# KiCad board HPM6P00ADCEVKRevB.kicad_pcb
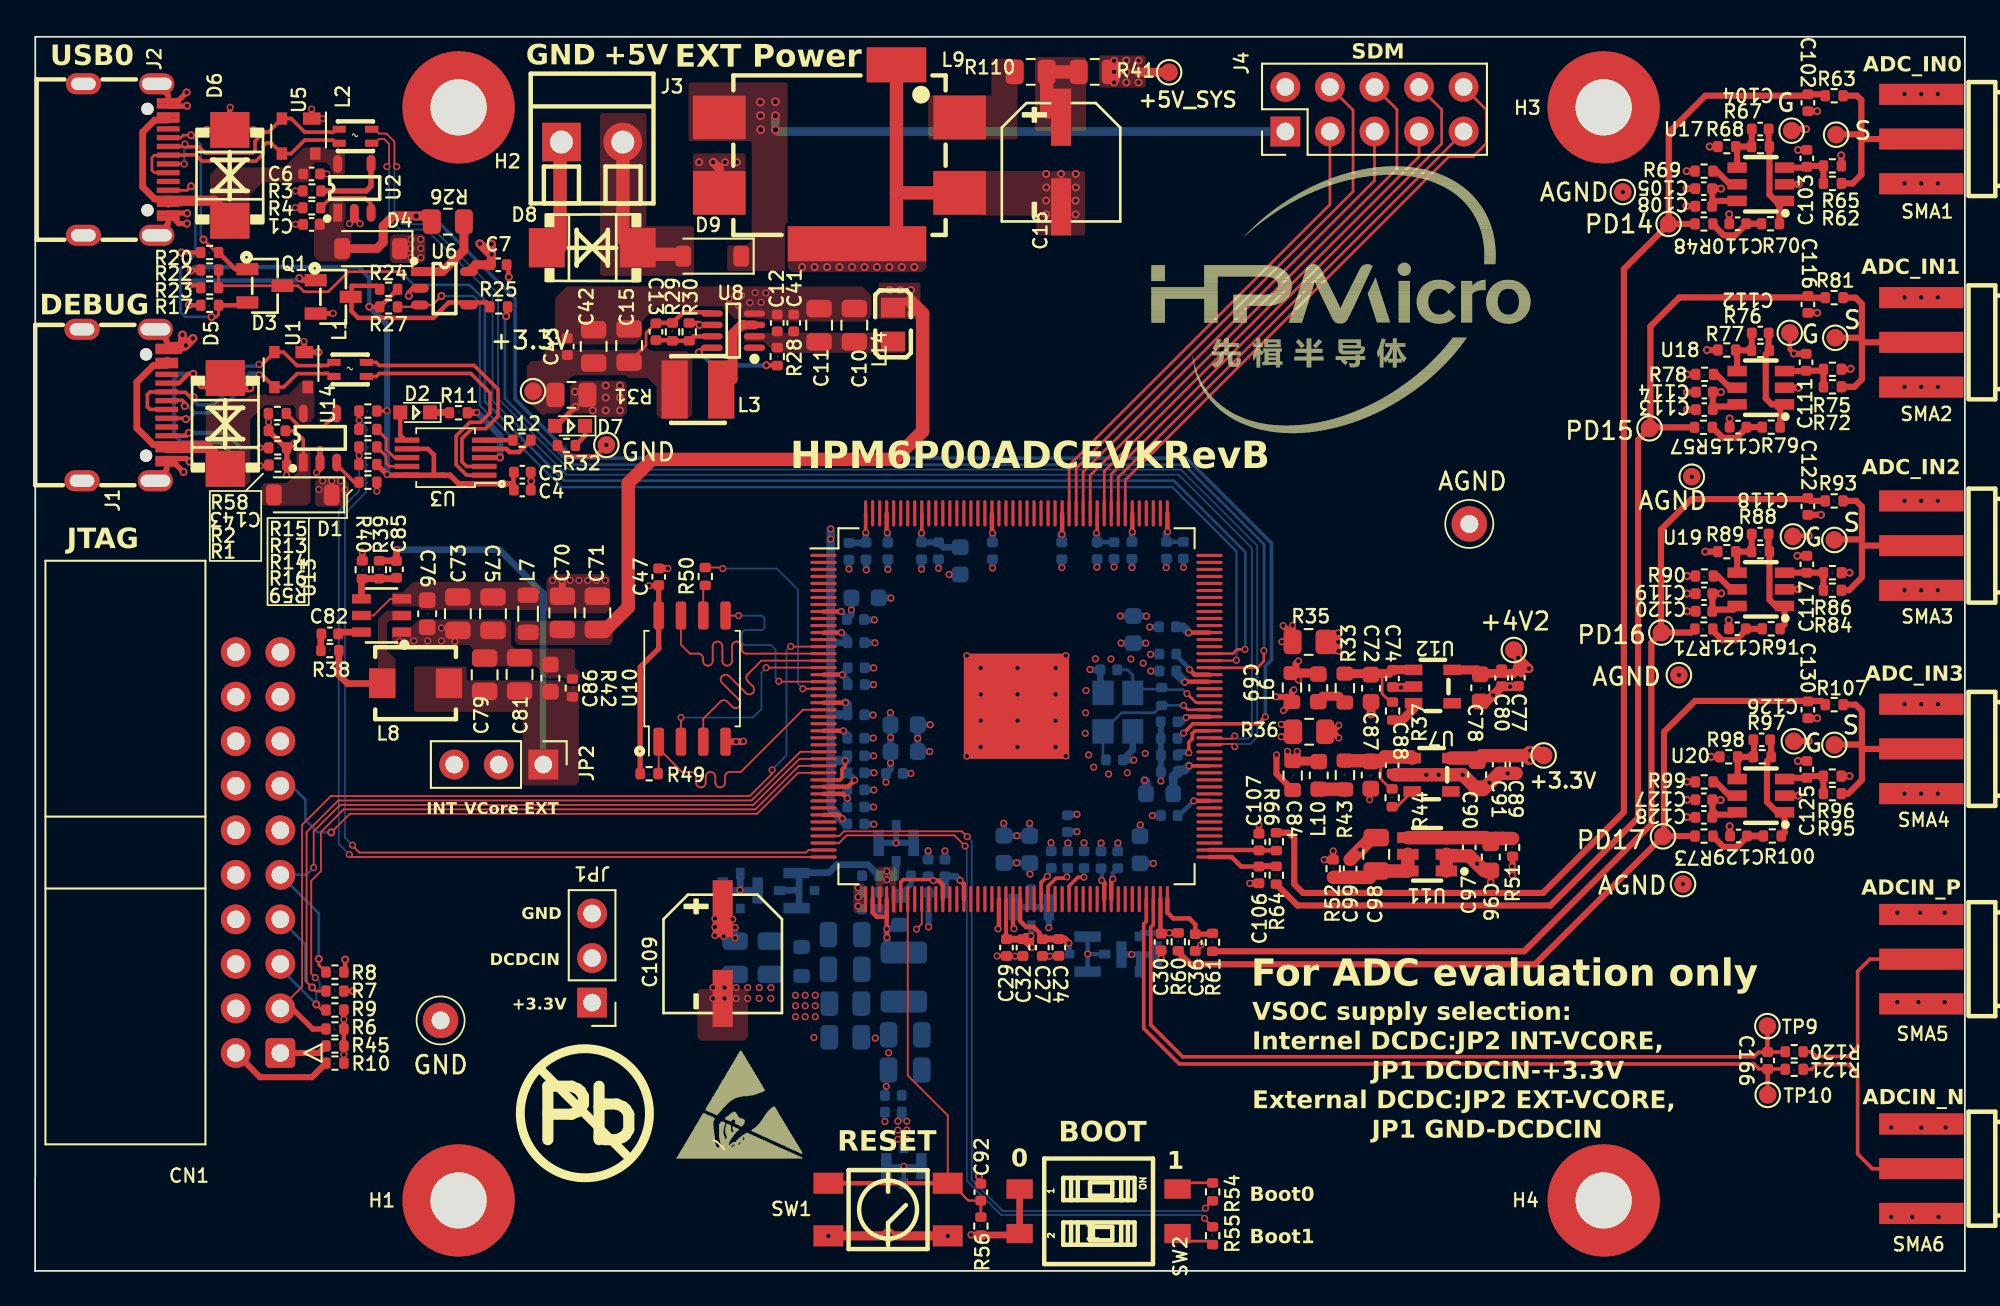
[diagram p0: board, top side]
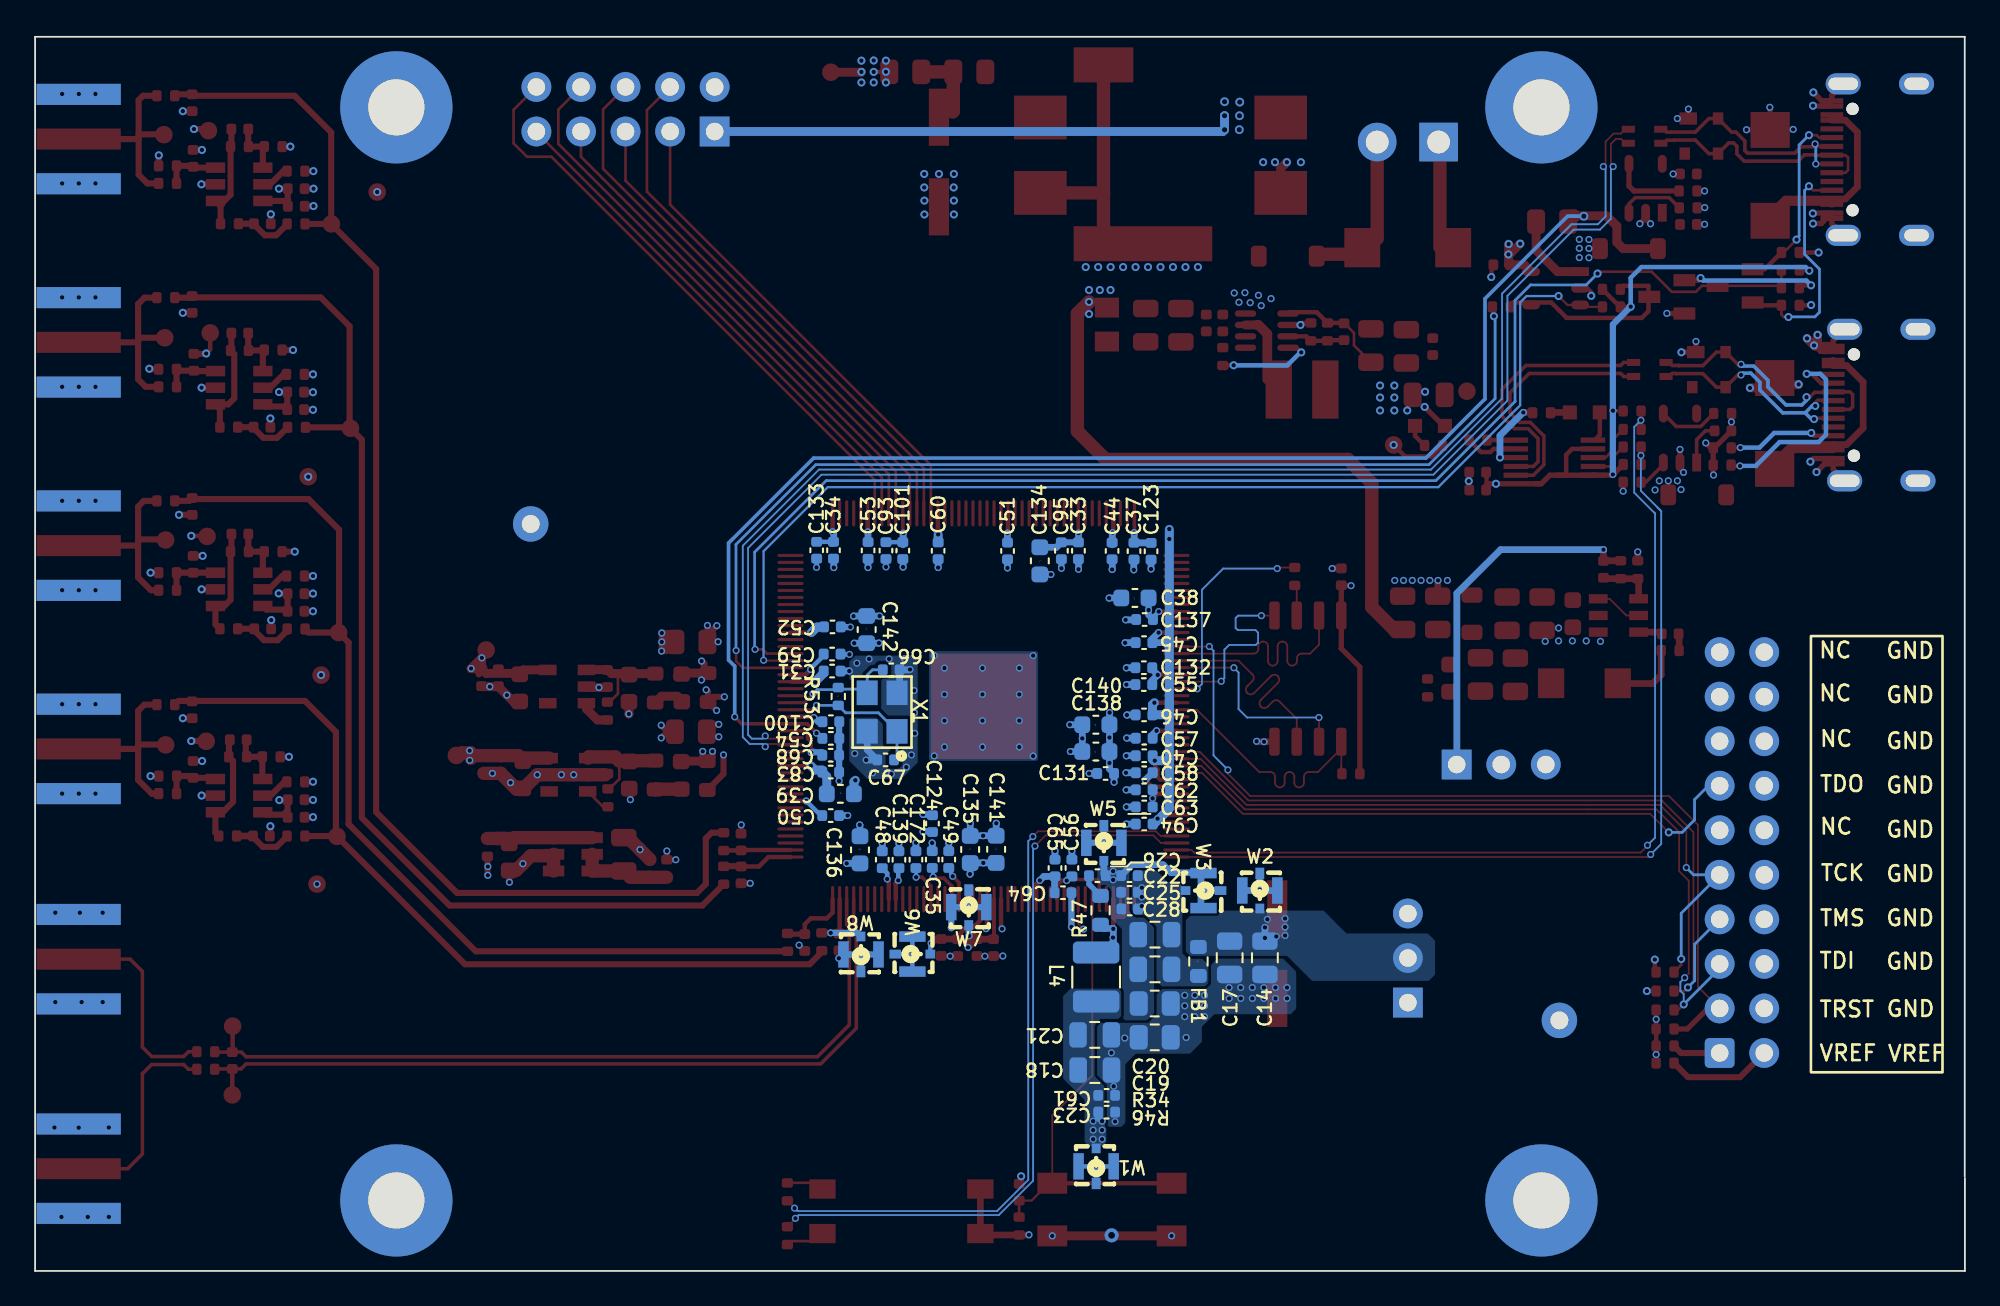
[diagram p1: board, bottom side, seen from below]

Outline 110 x 70.38 mm; copper layers: TOP.Cu, GND02.Cu (plane), S03.Cu, BOTTOM.Cu. Coordinates in mm from the lower left corner of the outline.
Outline path: 0,5.3 0,0 110,0 110,70.38 0.01,70.38 0.01,5.38
Stack: TOP.Cu 0.0175mm / dielectric 0.1mm FR4 er 4.5 / GND02.Cu 0.0175mm / dielectric 1.304mm FR4 er 4.5 / S03.Cu 0.0175mm / dielectric 0.1mm FR4 er 4.5 / BOTTOM.Cu 0.0175mm

## Placement (name value [footprint] x y rotation side)
C1  1uF,16V  [C_0402_1005Metric]  15.76 59.68 180 top
C4  4.7uF,16V  [C_0402_1005Metric]  27.77 44.54 0 top
C5  0.1uF,16V  [C_0402_1005Metric]  27.77 45.55 0 top
C6  0.1uF,50V  [C_0402_1005Metric]  15.76 62.56 0 top
C7  4.7uF,16V  [C_0402_1005Metric]  26.4 57.38 0 top
C10  22uF,10V  [C_0805_2012Metric]  46.7 53.94 90 top
C11  22uF,10V  [C_0805_2012Metric]  44.69 53.93 90 top
C12  0.1uF,16V  [C_0402_1005Metric]  42.3 54.06 90 top
C13  18pF,50V  [C_0402_1005Metric]  35.39 53.56 270 top
C14  22uF,10V  [C_0805_2012Metric]  39.9 17.86 270 bottom
C15  22uF,10V  [C_0805_2012Metric]  33.86 52.77 90 top
C16  220uF,16V  [CAP-SMD_BD6.3-L6.6-W6.6-LS7.2-R-RD]  58.48 63.24 90 top
C17  22uF,10V  [C_0805_2012Metric]  41.91 17.86 270 bottom
C18  22uF,10V  [C_0805_2012Metric]  49.59 11.46 180 bottom
C19  22uF,10V  [C_0805_2012Metric]  46.17 17.2 0 bottom
C20  22uF,10V  [C_0805_2012Metric]  46.17 19.18 0 bottom
C21  22uF,10V  [C_0805_2012Metric]  49.6 13.46 180 bottom
C22  0.1uF,16V  [C_0402_1005Metric]  47.62 22.54 0 bottom
C23  0.1uF,16V  [C_0402_1005Metric]  48.92 9.05 180 bottom
C24  4.7uF,16V  [C_0402_1005Metric]  58.35 18.45 270 top
C25  0.1uF,16V  [C_0402_1005Metric]  47.62 21.59 0 bottom
C26  2.2nF,50V  [C_0402_1005Metric]  49.45 22.54 180 bottom
C27  0.01uF,16V  [C_0402_1005Metric]  57.41 18.44 270 top
C28  0.1uF,16V  [C_0402_1005Metric]  47.61 20.64 0 bottom
C29  0.01uF,16V  [C_0402_1005Metric]  55.37 18.44 270 top
C30  220pF,50V  [C_0402_1005Metric]  64.18 18.76 270 top
C31  0.1uF,16V  [C_0402_1005Metric]  64.57 34.21 180 bottom
C32  4.7uF,16V  [C_0402_1005Metric]  56.31 18.44 270 top
C33  0.1uF,16V  [C_0402_1005Metric]  50.53 41.07 270 bottom
C34  0.1uF,16V  [C_0402_1005Metric]  64.49 41.1 270 bottom
C35  0.1uF,16V  [C_0402_1005Metric]  58.86 23.46 90 bottom
C36  220pF,50V  [C_0402_1005Metric]  66.13 18.73 270 top
C37  0.1uF,16V  [C_0402_1005Metric]  47.36 41.05 270 bottom
C38  22uF,10V  [C_0603_1608Metric]  47.31 38.38 0 bottom
C39  22uF,10V  [C_0603_1608Metric]  64.1 27.21 180 bottom
C40  0.1uF,16V  [C_0402_1005Metric]  46.78 29.38 180 bottom
C41  0.1uF,16V  [C_0402_1005Metric]  43.24 54.06 90 top
C42  22uF,10V  [C_0805_2012Metric]  31.84 52.73 90 top
C43  0.1uF,16V  [C_0402_1005Metric]  30.34 52.71 90 top
C44  0.1uF,16V  [C_0402_1005Metric]  48.61 41.06 270 bottom
C45  0.1uF,16V  [C_0402_1005Metric]  46.79 35.83 180 bottom
C46  0.1uF,16V  [C_0402_1005Metric]  46.79 31.71 180 bottom
C47  0.1uF,16V  [C_0402_1005Metric]  35.55 39.58 90 top
C48  0.1uF,16V  [C_0402_1005Metric]  61.71 23.45 90 bottom
C49  0.1uF,16V  [C_0402_1005Metric]  57.92 23.46 90 bottom
C50  0.1uF,16V  [C_0402_1005Metric]  64.65 25.97 180 bottom
C51  0.1uF,16V  [C_0402_1005Metric]  54.57 41.06 270 bottom
C52  0.1uF,16V  [C_0402_1005Metric]  64.55 36.73 180 bottom
C53  0.1uF,16V  [C_0402_1005Metric]  62.52 41.09 270 bottom
C54  0.1uF,16V  [C_0402_1005Metric]  64.64 30.37 180 bottom
C55  0.1uF,16V  [C_0402_1005Metric]  46.8 33.44 0 bottom
C56  0.1uF,16V  [C_0402_1005Metric]  50.9 22.98 270 bottom
C57  0.1uF,16V  [C_0402_1005Metric]  46.78 30.38 0 bottom
C58  0.1uF,16V  [C_0402_1005Metric]  46.78 28.41 0 bottom
C59  0.1uF,16V  [C_0402_1005Metric]  64.57 35.18 180 bottom
C60  0.1uF,16V  [C_0402_1005Metric]  58.53 41.07 270 bottom
C61  0.1uF,16V  [C_0402_1005Metric]  48.92 10.01 180 bottom
C62  4.7uF,10V  [C_0402_1005Metric]  46.78 27.44 0 bottom
C63  0.1uF,16V  [C_0402_1005Metric]  46.78 26.46 0 bottom
C64  4.7uF,10V  [C_0402_1005Metric]  51.41 21.57 180 bottom
C65  0.1uF,16V  [C_0402_1005Metric]  51.87 22.98 90 bottom
C66  12pF,50V  [C_0402_1005Metric]  61.2 34.28 180 bottom
C67  12pF,50V  [C_0402_1005Metric]  61.52 29.14 0 bottom
C68  0.1uF,16V  [C_0402_1005Metric]  64.65 29.41 180 bottom
C69  10uF,10V  [R_0603_1608Metric]  71.64 33.27 270 top
C70  22uF,10V  [C_0805_2012Metric]  30.05 37.53 90 top
C71  22uF,10V  [C_0805_2012Metric]  32.05 37.53 90 top
C72  10uF,10V  [C_0603_1608Metric]  76.15 33.23 270 top
C73  22uF,10V  [C_0805_2012Metric]  24.1 37.48 270 top
C74  0.1uF,16V  [C_0402_1005Metric]  77.37 33.78 270 top
C75  22uF,10V  [C_0805_2012Metric]  26.1 37.48 270 top
C76  100nF,10V  [C_0603_1608Metric]  22.35 37.48 270 top
C77  0.01uF,16V  [C_0402_1005Metric]  84.55 33.84 270 top
C78  10uF,10V  [C_0603_1608Metric]  82.37 33.25 270 top
C79  22uF,6.3V  [C_0805_2012Metric]  25.63 34 90 top
C80  0.1uF,16V  [C_0402_1005Metric]  83.59 33.83 270 top
C81  22uF,6.3V  [C_0805_2012Metric]  27.61 34.02 90 top
C82  100nF,16V  [C_0402_1005Metric]  16.8 36.33 180 top
C83  0.1uF,16V  [C_0402_1005Metric]  64.65 28.45 180 bottom
C84  10uF,10V  [R_0603_1608Metric]  71.68 28.25 270 top
C85  68pF,50V  [C_0402_1005Metric]  20.6 40.01 270 top
C86  100nF,6.3V  [C_0603_1608Metric]  29.37 33.81 90 top
C87  10uF,10V  [C_0603_1608Metric]  76.13 28.28 270 top
C88  0.1uF,16V  [C_0402_1005Metric]  77.35 28.84 270 top
C89  0.01uF,16V  [C_0402_1005Metric]  84.42 28.89 270 top
C90  10uF,10V  [C_0603_1608Metric]  82.2 28.3 270 top
C91  0.1uF,16V  [C_0402_1005Metric]  83.45 28.88 270 top
C92  0.1uF,16V  [C_0402_1005Metric]  53.91 4.49 90 top
C93  0.01uF,16V  [C_0402_1005Metric]  61.5 41.08 270 bottom
C94  0.1uF,16V  [C_0402_1005Metric]  46.78 25.48 180 bottom
C95  0.01uF,16V  [C_0402_1005Metric]  51.5 41.07 270 bottom
C96  10uF,10V  [C_0603_1608Metric]  82.98 23.61 270 top
C97  0.1uF,16V  [C_0402_1005Metric]  81.75 24.16 270 top
C98  22uF,10V  [C_0805_2012Metric]  76.45 23.76 90 top
C99  0.1uF,16V  [C_0402_1005Metric]  74.96 22.96 90 top
C100  0.1uF,16V  [C_0402_1005Metric]  64.64 31.32 180 bottom
C101  0.1uF,16V  [C_0402_1005Metric]  60.54 41.08 270 bottom
C102  10nF,50V  [C_0402_1005Metric]  101.05 66.62 270 top
C103  10pF,50V  [C_0402_1005Metric]  100.99 63.45 90 top
C104  1nF,50V  [C_0402_1005Metric]  98.33 65.12 180 top
C105  0.1uF,16V  [C_0402_1005Metric]  95.12 61.72 180 top
C106  220pF,50V  [C_0402_1005Metric]  69.76 22.58 270 top
C107  220pF,50V  [C_0402_1005Metric]  69.76 24.46 90 top
C108  1uF,16V  [C_0402_1005Metric]  95.11 60.72 180 top
C109  220uF,16V  [CAP-SMD_BD6.3-L6.6-W6.6-LS7.2-R-RD]  39.2 18.1 90 top
C110  10nF,50V  [C_0402_1005Metric]  97.05 59.72 180 top
C111  10pF,50V  [C_0402_1005Metric]  100.95 51.82 90 top
C112  1nF,50V  [C_0402_1005Metric]  98.33 53.48 180 top
C113  0.1uF,16V  [C_0402_1005Metric]  95.15 49.12 180 top
C114  1uF,16V  [C_0402_1005Metric]  95.15 50.12 180 top
C115  10nF,50V  [C_0402_1005Metric]  97.07 48.12 180 top
C116  10nF,50V  [C_0402_1005Metric]  101.05 55.12 270 top
C117  10pF,50V  [C_0402_1005Metric]  100.99 40.3 90 top
C118  1nF,50V  [C_0402_1005Metric]  98.33 42.02 180 top
C119  0.1uF,16V  [C_0402_1005Metric]  95.13 38.62 180 top
C120  1uF,16V  [C_0402_1005Metric]  95.13 37.62 180 top
C121  10nF,50V  [C_0402_1005Metric]  97.03 36.62 180 top
C122  10nF,50V  [C_0402_1005Metric]  101.05 43.6 270 top
C123  0.01uF,16V  [C_0402_1005Metric]  46.39 41.04 270 bottom
C124  0.01uF,16V  [C_0402_1005Metric]  58.85 25.51 90 bottom
C125  10pF,50V  [C_0402_1005Metric]  100.99 28.6 90 top
C126  1nF,50V  [C_0402_1005Metric]  98.42 30.29 180 top
C127  0.1uF,16V  [C_0402_1005Metric]  95.12 26.87 180 top
C128  1uF,16V  [C_0402_1005Metric]  95.12 25.87 180 top
C129  10nF,50V  [C_0402_1005Metric]  97.1 24.8 180 top
C130  10nF,50V  [C_0402_1005Metric]  101.05 32 270 top
C131  0.01uF,16V  [C_0402_1005Metric]  48.98 28.37 0 bottom
C132  0.01uF,16V  [C_0402_1005Metric]  46.8 34.4 0 bottom
C133  0.01uF,16V  [C_0402_1005Metric]  65.45 41.1 270 bottom
C134  4.7uF,10V  [C_0603_1608Metric]  52.73 40.49 270 bottom
C135  4.7uF,10V  [C_0603_1608Metric]  56.7 24.03 90 bottom
C136  4.7uF,10V  [C_0603_1608Metric]  62.98 24.02 90 bottom
C137  0.1uF,16V  [C_0402_1005Metric]  46.76 37.15 0 bottom
C138  4.7uF,10V  [C_0603_1608Metric]  49.53 29.62 0 bottom
C139  0.1uF,16V  [C_0402_1005Metric]  60.76 23.45 90 bottom
C140  4.7uF,10V  [C_0603_1608Metric]  49.53 31.15 0 bottom
C141  4.7uF,10V  [C_0603_1608Metric]  55.22 24.05 90 bottom
C142  4.7uF,10V  [C_0603_1608Metric]  62.6 36.57 90 bottom
C143  1uF,16V  [C_0402_1005Metric]  13.79 47.91 180 top
C166  2.7nF,16V  [C_0402_1005Metric]  98.76 12 270 top
C172  0.1uF,16V  [C_0402_1005Metric]  59.79 23.45 90 bottom
CN1  2.54-2*10P弯简牛  [IDC-Header_2x10_P2.54mm_Horizontal]  13.98 12.43 180 top
D1  1N5819HW-7-F  [D_SOD-123]  15.26 44.26 180 top
D2  LED GREEN  [LED_0603]  21.67 48.96 0 top
D3  BAT54A-7-F  [SOT-23]  13.1 56.18 180 top
D4  1N5819HW-7-F  [D_SOD-123]  19.15 58.3 180 top
D5  SMB/DO-214AA_P6SMB6.8CA  [SMB_(DO-214AA)]  10.84 48.33 270 top
D6  SMB/DO-214AA_P6SMB6.8CA  [SMB_(DO-214AA)]  11.1 62.48 270 top
D7  LED_RED  [LED_0603]  30.49 48.19 0 top
D8  SMB/DO-214AA_P6SMB6.8CA  [SMB_(DO-214AA)]  31.76 58.35 0 top
D9  1N5819HW-7-F  [D_SOD-123]  38.6 57.87 180 top
FB1  100Ω@100MHz 2A  [R_0603_1608Metric]  43.69 17.65 90 bottom
H1  MountingHole  [MountingHole_3.2mm_M3_Pad]  24.14 4.02 0 top
H2  MountingHole  [MountingHole_3.2mm_M3_Pad]  24.14 66.36 0 top
H3  MountingHole  [MountingHole_3.2mm_M3_Pad]  89.41 66.36 0 top
H4  MountingHole  [MountingHole_3.2mm_M3_Pad]  89.41 4.02 0 top
J1  KH-TYPE-C-16P  [TYPE-C-16P]  5.09 49.38 270 top
J2  KH-TYPE-C-16P  [TYPE-C-16P]  5.17 63.38 270 top
J3  DB125-3.5-2P-GN-S  [CONN-TH_2P-P3.50_L7.4-W7.0]  31.75 64.38 0 top
J4  HEADER 5X2  [PinHeader_2x05_P2.54mm_Vertical]  71.26 64.98 90 top
JP1  Jumper_3_Bridged12  [PinHeader_1x03_P2.54mm_Vertical]  31.75 15.3 180 top
JP2  Jumper_3_Bridged12  [PinHeader_1x03_P2.54mm_Vertical]  28.97 28.88 270 top
L1  DLW21SN900SQ2L  [L2012]  17.96 51.41 270 top
L2  DLW21SN900SQ2L  [L2012]  18.26 64.71 270 top
L3  4.7uH-1.24A 156mΩ  [L3012]  37.78 50.27 180 top
L4  4.7uH_2A  [L_1210_3225Metric]  49.52 16.76 90 bottom
L6  BLM15AG102SN1D  [L_0603_1608Metric]  73.14 33.25 270 top
L7  BLM21AG121SN1D  [L_0805_2012Metric]  28.1 37.48 90 top
L8  BMRA00040420100MA1  [IND-SMD_L4.6-W4.1]  21.69 33.52 180 top
L9  BNX024H01L  [FILTER-SMD_BNX022-01L]  45.85 63.68 0 top
L10  BLM15AG102SN1D  [L_0603_1608Metric]  73.17 28.26 270 top
L14  BLM21AG121SN1D  [L0805]  48.91 53.97 270 top
MARK2  HPM Logo  [HPM LOGO 8]  63.6 47.77 0 top
Q1  2N7002  [SOT-23]  16.99 55.55 180 top
R1  5.1K  [R_0402_1005Metric]  13.84 45.96 0 top
R2  5.1K  [R_0402_1005Metric]  13.83 46.94 0 top
R3  10K  [R_0402_1005Metric]  15.78 61.59 0 top
R4  330Ω  [R_0402_1005Metric]  15.77 60.63 0 top
R6  10K  [R_0402_1005Metric]  17.09 13.8 180 top
R7  10K  [R_0402_1005Metric]  17.09 15.96 0 top
R8  10K  [R_0402_1005Metric]  17.09 17.04 0 top
R9  10K  [R_0402_1005Metric]  17.09 14.88 180 top
R10  0Ω  [R_0402_1005Metric]  17.09 11.85 180 top
R11  1K  [R_0402_1005Metric]  24.13 48.94 0 top
R12  2K  [R_0402_1005Metric]  27.75 47.38 180 top
R13  33Ω  [R_0402_1005Metric]  18.97 47.99 180 top
R14  33Ω  [R_0402_1005Metric]  18.97 46.99 180 top
R15  5.1K  [R_0402_1005Metric]  18.97 49.04 180 top
R16  5.1K  [R_0402_1005Metric]  18.97 45.99 180 top
R17  5.1K  [R_0402_1005Metric]  9.95 55.07 180 top
R20  5.1K  [R_0402_1005Metric]  9.95 58.08 180 top
R22  100K  [R_0402_1005Metric]  9.95 57.08 180 top
R23  10K  [R_0402_1005Metric]  9.95 56.07 0 top
R24  10K  [R_0402_1005Metric]  20.15 55.98 0 top
R25  0Ω  [R_0402_1005Metric]  26.43 54.98 180 top
R26  0Ω  [R_0805_2012Metric]  23.53 59.84 180 top
R27  10K  [R_0402_1005Metric]  20.15 54.98 0 top
R28  10K  [R_0402_1005Metric]  42.3 52.14 270 top
R29  200K  [R_0402_1005Metric]  36.33 53.55 90 top
R30  44.2K  [R_0402_1005Metric]  37.28 53.55 270 top
R31  0Ω  [R_0805_2012Metric]  30.57 49.96 180 top
R32  2K  [R_0402_1005Metric]  30.29 47.08 0 top
R33  0Ω  [R_0603_1608Metric]  74.66 33.24 90 top
R34  0Ω  [R_0805_2012Metric]  46.18 15.25 0 bottom
R35  0Ω  [R_0805_2012Metric]  72.59 35.87 0 top
R36  0Ω  [R_0805_2012Metric]  72.62 30.75 0 top
R37  10K  [R_0402_1005Metric]  77.38 31.93 90 top
R38  0Ω  [R_0402_1005Metric]  16.8 35.38 0 top
R39  110K  [R_0402_1005Metric]  19.62 39.99 90 top
R40  100K  [R_0402_1005Metric]  18.65 39.99 270 top
R41  0Ω  [R_0805_2012Metric]  60.4 68.38 0 top
R42  100K  [R_0402_1005Metric]  30.63 33.25 270 top
R43  0Ω  [R_0603_1608Metric]  74.66 28.28 90 top
R44  10K  [R_0402_1005Metric]  77.35 26.98 90 top
R45  0Ω  [R_0402_1005Metric]  17.09 12.83 0 top
R46  0Ω  [R_0805_2012Metric]  46.18 13.32 180 bottom
R47  10Ω  [R_0603_1608Metric]  49.27 20.57 270 bottom
R48  0Ω  [R_0402_1005Metric]  95.12 59.71 180 top
R49  10K  [R_0402_1005Metric]  35 28.35 180 top
R50  33Ω  [R_0402_1005Metric]  38.2 39.6 90 top
R51  0Ω  [R_0402_1005Metric]  84.22 24.15 90 top
R52  0Ω  [R_0402_1005Metric]  73.99 22.94 90 top
R53  1M  [R_0402_1005Metric]  64.22 32.76 90 bottom
R54  1k  [R_0402_1005Metric]  67.12 4.51 270 top
R55  1k  [R_0402_1005Metric]  67.12 2.01 90 top
R56  10K  [R_0402_1005Metric]  53.91 2.56 90 top
R57  0Ω  [R_0402_1005Metric]  95.1 48.11 180 top
R58  10K  [R_0402_1005Metric]  13.81 48.9 0 top
R59  330Ω  [R_0402_1005Metric]  18.97 44.98 180 top
R60  0Ω  [R_0402_1005Metric]  65.16 18.77 90 top
R61  0Ω  [R_0402_1005Metric]  67.11 18.74 90 top
R62  49.9Ω  [R_0402_1005Metric]  102.45 62.02 180 top
R63  49.9Ω  [R_0402_1005Metric]  102.55 67.02 180 top
R64  0Ω  [R_0402_1005Metric]  70.75 22.56 90 top
R65  49.9Ω  [R_0402_1005Metric]  102.45 63.02 180 top
R66  0Ω  [R_0402_1005Metric]  70.75 24.48 270 top
R67  0Ω  [R_0402_1005Metric]  98.35 64.12 180 top
R68  1K  [R_0402_1005Metric]  96.43 64.12 180 top
R69  0Ω  [R_0402_1005Metric]  95.13 62.72 180 top
R70  2.2Ω  [R_0402_1005Metric]  98.92 59.72 180 top
R71  0Ω  [R_0402_1005Metric]  95.12 36.61 180 top
R72  49.9Ω  [R_0402_1005Metric]  102.45 50.42 180 top
R73  0Ω  [R_0402_1005Metric]  95.13 24.8 180 top
R75  49.9Ω  [R_0402_1005Metric]  102.45 51.42 180 top
R76  0Ω  [R_0402_1005Metric]  98.35 52.49 180 top
R77  1K  [R_0402_1005Metric]  96.43 52.52 180 top
R78  0Ω  [R_0402_1005Metric]  95.16 51.13 180 top
R79  2.2Ω  [R_0402_1005Metric]  98.96 48.12 180 top
R81  49.9Ω  [R_0402_1005Metric]  102.55 55.51 180 top
R84  49.9Ω  [R_0402_1005Metric]  102.45 38.82 180 top
R86  49.9Ω  [R_0402_1005Metric]  102.45 39.82 180 top
R88  0Ω  [R_0402_1005Metric]  98.35 41.02 180 top
R89  1K  [R_0402_1005Metric]  96.43 41.02 180 top
R90  0Ω  [R_0402_1005Metric]  95.15 39.63 180 top
R91  2.2Ω  [R_0402_1005Metric]  98.96 36.62 180 top
R93  49.9Ω  [R_0402_1005Metric]  102.55 43.91 180 top
R95  49.9Ω  [R_0402_1005Metric]  102.45 27.22 180 top
R96  49.9Ω  [R_0402_1005Metric]  102.44 28.22 180 top
R97  0Ω  [R_0402_1005Metric]  98.45 29.32 180 top
R98  1K  [R_0402_1005Metric]  96.54 29.32 180 top
R99  0Ω  [R_0402_1005Metric]  95.14 27.89 180 top
R100  2.2Ω  [R_0402_1005Metric]  99.02 24.8 180 top
R107  49.9Ω  [R_0402_1005Metric]  102.55 32.29 180 top
R110  1Ω  [R_0805_2012Metric]  56.75 68.38 0 top
R120  40Ω  [R_0402_1005Metric]  100.27 12.5 180 top
R121  40Ω  [R_0402_1005Metric]  100.27 11.5 180 top
Ref**  Val**  [ESD]  36.53 6.4 0 top
REF**  -  [PB]  27.18 12.93 0 top
SMA1  SMA内孔直座  [SMA-SMD_BWSMA-KE-P001]  107.51 64.55 0 top
SMA2  SMA内孔直座  [SMA-SMD_BWSMA-KE-P001]  107.51 52.96 0 top
SMA3  SMA内孔直座  [SMA-SMD_BWSMA-KE-P001]  107.51 41.36 0 top
SMA4  SMA内孔直座  [SMA-SMD_BWSMA-KE-P001]  107.51 29.77 0 top
SMA5  SMA_C9900018296  [SMA-SMD_BWSMA-KE-P001]  107.51 17.78 0 top
SMA6  SMA_C9900018296  [SMA-SMD_BWSMA-KE-P001]  107.51 5.83 0 top
SW1  轻触开关4.5mm*4.5mm*4mm  [轻触开关SMD-4P,4.5x4.5mm]  48.62 3.5 0 top
SW2  DM-02-V  [SW-SMD_DM-02-V]  60.62 3.4 270 top
TP1  GND  [Test_Point_D1.02mm]  23.11 14.29 0 top
TP2  +5V_SYS  [TestPoint_Pad_D1.0mm]  64.64 68.36 0 top
TP3  +3.3V  [TestPoint_Pad_D1.0mm]  28.38 50.17 0 top
TP4  AGND  [Test_Point_D1.02mm]  81.75 42.6 180 top
TP5  +4V2  [TestPoint_Pad_D1.0mm]  84.29 35.41 0 top
TP6  +3.3V  [TestPoint_Pad_D1.0mm]  85.99 29.4 180 top
TP7  GND  [TestPoint_Pad_D1.0mm]  32.56 47.11 0 top
TP8  AGND  [TestPoint_Pad_D1.0mm]  90.5 61.53 0 top
TP9  PF16  [TestPoint_Pad_D1.0mm]  98.74 13.96 0 top
TP10  PF16  [TestPoint_Pad_D1.0mm]  98.76 10.04 0 top
TP11  G  [TestPoint_Pad_D1.0mm]  100.12 65.03 0 top
TP12  S  [TestPoint_Pad_D1.0mm]  102.66 64.8 0 top
TP15  PD14  [TestPoint_Pad_D1.0mm]  93.11 59.71 0 top
TP16  G  [TestPoint_Pad_D1.0mm]  100.02 53.5 0 top
TP17  S  [TestPoint_Pad_D1.0mm]  102.61 53.22 0 top
TP18  AGND  [TestPoint_Pad_D1.0mm]  94.43 45.29 0 top
TP19  PD15  [TestPoint_Pad_D1.0mm]  92.02 48.05 0 top
TP20  G  [TestPoint_Pad_D1.0mm]  100.2 41.89 0 top
TP21  S  [TestPoint_Pad_D1.0mm]  102.56 41.69 0 top
TP22  AGND  [TestPoint_Pad_D1.0mm]  93.7 33.98 0 top
TP23  PD16  [TestPoint_Pad_D1.0mm]  92.7 36.41 0 top
TP24  G  [TestPoint_Pad_D1.0mm]  100.25 30.2 0 top
TP25  S  [TestPoint_Pad_D1.0mm]  102.56 30 0 top
TP29  AGND  [TestPoint_Pad_D1.0mm]  93.93 22.06 0 top
TP30  PD17  [TestPoint_Pad_D1.0mm]  92.79 24.78 0 top
U1  PRTR5V0U2X  [SOT-143]  14.59 51.4 270 top
U2  PW1515  [SOT-23-5]  18.2 61.74 90 top
U3  CH340E  [MSOP-10]  23.4 46.38 180 top
U5  PRTR5V0U2X  [SOT-143]  15.02 64.72 270 top
U6  AP2151WG-7  [SOT-23-5]  23.33 56.04 0 top
U7  TPS7A2033PDBVR  [SOT-23-5_L2.9-W1.6-P0.95-LS2.8-BR]  79.6 28.3 180 top
U8  MP2161GJ-Z  [TSOT-23-8_L2.9-W1.6-P0.65-LS2.8-BR]  39.79 53.62 0 top
U9  HPM600  [LQFP-176_20x20_Pitch0.4mm]  55.94 32.2 0 top
U10  MX25L12833FM2I-10G  [SOIC8_208mil]  37.45 33.78 90 top
U11  REF3433IDBVR  [TSOT-23-6_L2.9-W1.6-P0.95-LS2.8-TL]  79.35 23.76 180 top
U12  TPS7A2042PDBVR  [SOT-23-5_L2.9-W1.6-P0.95-LS2.8-BR]  79.67 33.33 180 top
U13  TPS54202DDCR  [SOT-23-6_L2.9-W1.6-P0.95-LS2.8-BL]  19.75 37.38 90 top
U14  PW1515  [SOT-23-5]  16.24 47.5 90 top
U17  OPA625IDBVR  [SOT-23-6_L2.9-W1.6-P0.95-LS2.8-BR]  98.37 61.97 0 top
U18  OPA625IDBVR  [SOT-23-6_L2.9-W1.6-P0.95-LS2.8-BR]  98.37 50.37 0 top
U19  OPA625IDBVR  [SOT-23-6_L2.9-W1.6-P0.95-LS2.8-BR]  98.37 38.87 0 top
U20  OPA625IDBVR  [SOT-23-6_L2.9-W1.6-P0.95-LS2.8-BR]  98.37 27.1 0 top
W1  IPEX3-TXZ_214  [RF-SMD_IPEX3-TXZ-214]  49.52 5.99 180 bottom
W2  IPEX3-TXZ_214  [RF-SMD_IPEX3-TXZ-214]  40.19 21.67 0 bottom
W3  IPEX3-TXZ_214  [RF-SMD_IPEX3-TXZ-214]  43.43 21.69 90 bottom
W5  IPEX3-TXZ_214  [RF-SMD_IPEX3-TXZ-214]  49.08 24.39 0 bottom
W6  IPEX3-TXZ_214  [RF-SMD_IPEX3-TXZ-214]  59.97 18.07 270 bottom
W7  IPEX3-TXZ_214  [RF-SMD_IPEX3-TXZ-214]  56.78 20.72 0 bottom
W8  IPEX3-TXZ_214  [RF-SMD_IPEX3-TXZ-214]  62.93 18.07 180 bottom
X1  24MHz ±10ppm 12pF  [3225]  61.72 31.87 90 bottom
